# Altium PCB SoDeRa-PCIe_1v0.PcbDoc (part 2 of 8)
Units mm, origin at the board's own origin, x right, y up, seen from the top; angles counter-clockwise.
Board outline 136.85 x 68.9 mm, 12 copper layers (Top, L2, L3, L4, L5, L6, L7, L8, L9, L10, L11, Bottom), stack 1.638 mm thick; 750 components, 495 nets, 3617 pads, 1756 vias.
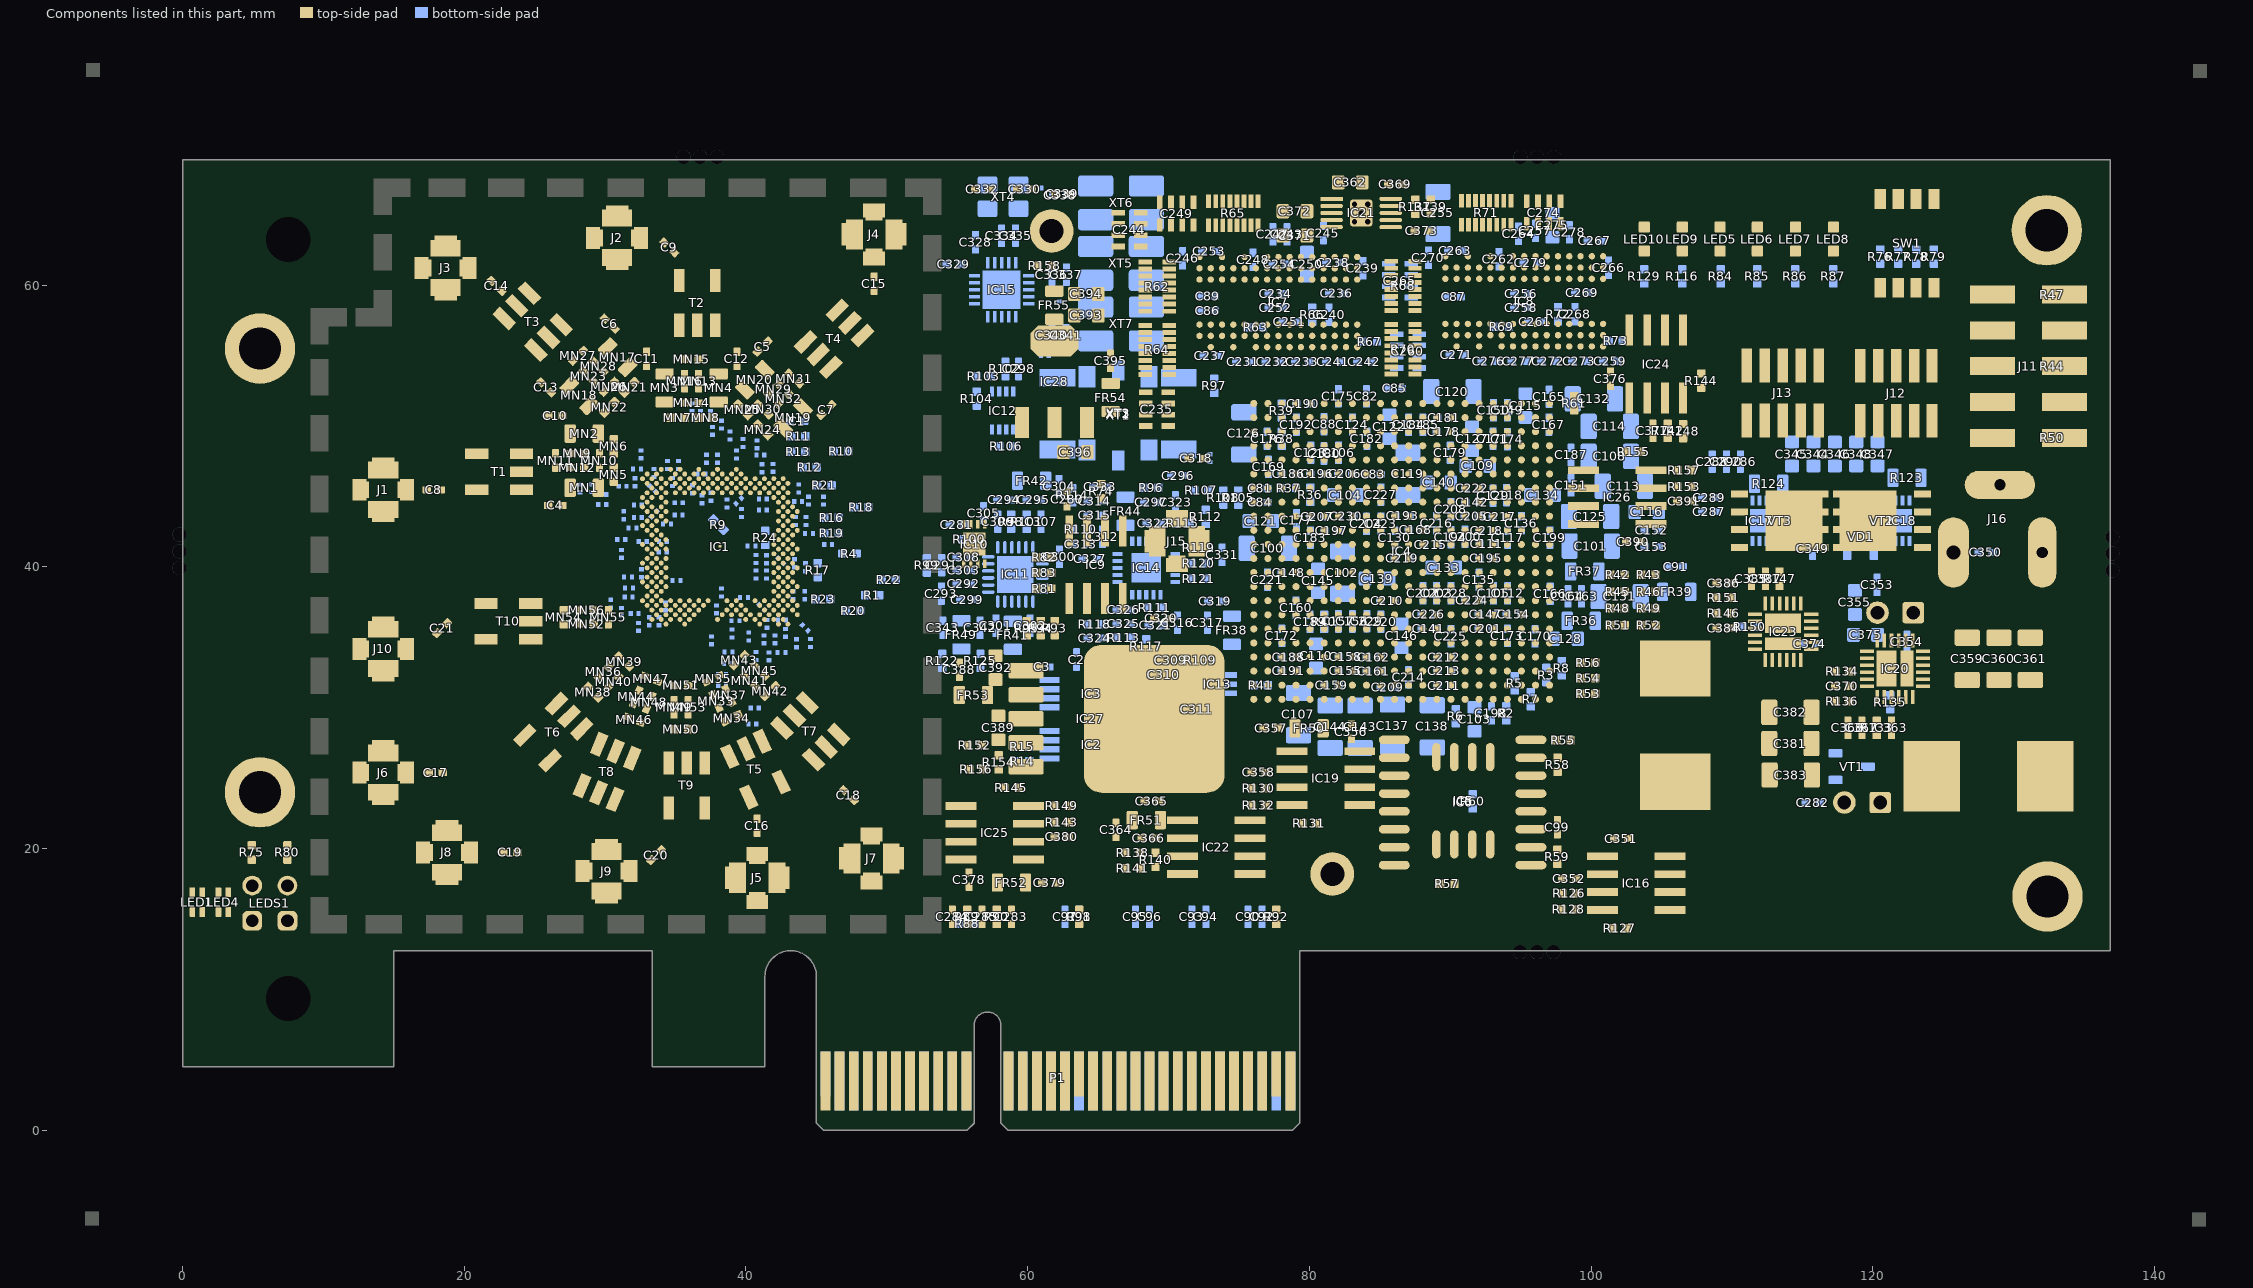
[diagram p12: the components of this part, seen from the top]

## Components (designator, comment, footprint, x,y, rotation, side; value= is the part's Value field where it differs from the comment) (continued)
FR55 "600R@100MHz" RES0805#2 61.89,58.575 r90 top
IC1 "LMS7002M" LMS7002M 37.984,41.437 r0 top locked
IC2 "24FC64F" 24FC512 64.5,27.375 r180 bottom
IC3 "24FC512" 24FC512 64.5,31 r180 bottom
IC4 "EP4CGX30CF23C7N" ALTR-FBGA484_A-200 86.55,41.1 r180 top locked
IC5 "W25Q32FV" SOIC127P600-8DL_v3 90.925,23.35 r270 top
IC6 "S25FL032P" SOIC16_WIDE 90.875,23.275 r180 top
IC7 "AS4C64M16D2-25BCN" AS4C64M16D2 77.8,58.8 r270 top
IC8 "AS4C64M16D2-25BCN" AS4C64M16D2 95.25,58.85 r270 top
IC9 "M25P40" M25P40-VMN6TPB_SO8N 64.85,40.15 r90 top
IC10 "LM75" HWSON8_LM75 56.2,41.625 r90 top
IC11 "LMK00105" LMK00105SQ 59.125,39.462 r270 bottom
IC12 "NC7SV74K8XCT" NC7SV74K8XCT 58.225,51.1 r90 bottom
IC13 "AD5601BKSZ-REEL7" AD5601_SOT23-6 73.475,31.675 r180 bottom
IC14 "ADF4002" ADF4002 68.425,39.925 r0 bottom
IC15 "Si5351C" Si5351C_20QFN 58.15,59.675 r90 bottom
IC16 "MIC37122" "MIC37122YM TR_SO8" 103.213,17.551 r0 top
IC17 "LTC4357" LTC4357 111.95,43.275 r90 bottom
IC18 "LTC4357" LTC4357 122.1,43.275 r270 bottom
IC19 "MIC37122" "MIC37122YM TR_SO8" 81.175,25 r0 top
IC20 "ADP2386" ADP2386 121.574,32.776 r90 top
IC21 "RT9026" MSOP10 81.575,66.125 r0 top
IC22 "MIC37122" "MIC37122YM TR_SO8" 73.4,20.1 r0 top
IC23 "ADP2386" ADP2386 113.625,35.4 r0 top
IC24 "MIC37122" "MIC37122YM TR_SO8" 104.615,54.404 r90 top
IC25 "MIC37122" "MIC37122YM TR_SO8" 57.65,21.125 r180 top
IC26 "MIC37122" "MIC37122YM TR_SO8" 101.85,44.95 r180 top
IC27 "LP38503TS" TO-263-5_v2 65.936,29.215 r0 top
IC28 "LM1117IMPX-3.3" sot223 61.9,53.136 r0 top
J1 "U.FL/MMCX" MMCX_UFL_conn_u 14.25,45.475 r270 top
J2 "U.FL/MMCX" MMCX_UFL_conn_u 30.85,63.36 r270 top
J3 "U.FL/MMCX" MMCX_UFL_conn_u 18.675,61.225 r270 top
J4 "U.FL/MMCX" MMCX_UFL_conn_u 49.1,63.6 r180 top
J5 "U.FL/MMCX" MMCX_UFL_conn_u 40.8,17.925 r0 top
J6 "U.FL/MMCX" MMCX_UFL_conn_u 14.25,25.4 r270 top
J7 "U.FL/MMCX" MMCX_UFL_conn_u 48.916,19.3 r0 top
J8 "U.FL/MMCX" MMCX_UFL_conn_u 18.775,19.725 r270 top
J9 "U.FL/MMCX" MMCX_UFL_conn_u 30.1,18.4 r270 top
J10 "U.FL/MMCX" MMCX_UFL_conn_u 14.25,34.175 r270 top
J11 "JTAG_10pinConnector" HEADER5x2_SM 131.05,54.25 r90 top locked
J12 "FPGA GPIO" SWD_10_pin 121.65,52.325 r0 top
J13 "FPGA GPIO" SWD_10_pin 113.6,52.35 r0 top
J14 "12V FAN" HDR_1x2 119.25,23.275 r270 top
J15 "U.FL/MMCX" MMCX_UFL_conn_u 70.6,41.825 r0 top
J16 "CONN_PWR_JACK_2.1x5.5mm" CONN_PWR_JACK_v2 139.725,41.025 r270 top locked
J17 "12V" HDR_1x2 121.6,36.75 r270 top
L1 "2.2uH" FDVE1040_TOKO_INDUCTOR 128.204,25.149 r0 top
L2 "1uH" FDVE1040_TOKO_INDUCTOR 105.987,28.762 r270 top
LED1 "LED_RG_SMD" LED-2x0603 1.075,16.125 r270 top
LED4 "LED_RG_SMD" LED-2x0603 2.925,16.125 r270 top
LED5 "LED_green" LED-0603-GREEN 109.155,63.275 r90 top
LED6 "LED_green" LED-0603-GREEN 111.8,63.275 r90 top
LED7 "LED_green" LED-0603-GREEN 114.505,63.275 r90 top
LED8 "LED_green" LED-0603-GREEN 117.205,63.275 r90 top
LED9 "LED_green" LED-0603-GREEN 106.475,63.275 r90 top
LED10 "LED_green" LED-0603-GREEN 103.775,63.275 r90 top
LEDS1 "2xLED standoff" LED_STANDOFF_H-201C 6.2,16.125 r90 top
MECH1 "# pcs." PCB_standoff 132.35,63.9 r0 top locked
MECH2 "# pcs." PCB_standoff 132.4,16.6 r0 top
MECH3 "# pcs." PCB_standoff 5.5,24 r0 top
MECH4 "# pcs." PCB_standoff 5.5,55.5 r0 top
MN1 "100uH" RES0805#2 28.52,45.617 r180 top
MN2 "100uH" RES0805#2 28.52,49.462 r180 top
MN3 "100uH" RES0805#2 34.22,52.701 r90 top
MN4 "100uH" RES0805#2 38.065,52.701 r90 top
MN5 "47nH" RES0402#1 30.63,46.552 r270 top
MN6 "47nH" RES0402#1 30.63,48.552 r90 top
MN7 "47nH" RES0402#1 35.144,50.591 r180 top
MN8 "47nH" RES0402#1 37.144,50.591 r0 top
MN9 "100nF, 10%" CAP0402#2 28.03,48.052 r0 top
MN10 "0.5pF" CAP0402#2 29.59,47.553 r90 top
MN11 "2pF" CAP0402#2 26.48,47.552 r90 top
MN12 "100nF, 10%" CAP0402#2 28.03,47.052 r180 top
MN13 "100nF, 10%" CAP0402#2 36.645,53.191 r270 top
MN14 "0.5pF" CAP0402#2 36.144,51.641 r0 top
MN15 "2pF" CAP0402#2 36.144,54.741 r0 top
MN16 "100nF, 10%" CAP0402#2 35.645,53.191 r90 top
MN17 "0uH (0R)" RES0805#2 30.888,54.888 r135 top
MN18 "0uH (0R)" RES0805#2 28.17,52.169 r135 top
MN19 "0uH (0R)" RES0805#2 43.343,50.571 r45 top
MN20 "0uH (0R)" RES0805#2 40.624,53.289 r45 top
MN21 "8.2nH, 5%" RES0402#1 31.729,52.745 r45 top
MN22 "8.2nH, 5%" RES0402#1 30.315,51.331 r225 top
MN23 "0.8pF" CAP0402#2 28.83,53.534 r315 top
MN24 "8.2nH, 5%" RES0402#1 41.2,49.73 r315 top
MN25 "8.2nH, 5%" RES0402#1 39.786,51.144 r135 top
MN26 "1pF" CAP0402#2 30.279,52.791 r45 top
MN27 "0.5pF" CAP0402#2 28.087,54.983 r225 top
MN28 "0.8pF" CAP0402#2 29.537,54.241 r315 top
MN29 "0.8pF" CAP0402#2 41.978,52.629 r225 top
MN30 "1pF" CAP0402#2 41.236,51.179 r315 top
MN31 "0.5pF" CAP0402#2 43.428,53.371 r135 top
MN32 "0.8pF" CAP0402#2 42.685,51.922 r225 top
MN33 "510pF" CAP0402#2 37.875,30.454 r115 top
MN34 "8.2nH, 5%" RES0402#1 38.983,29.261 r205 top
MN35 "1.2pF" CAP0402#2 37.673,32.059 r205 top
MN36 "510pF" CAP0402#2 29.893,32.552 r45 top
MN37 "510pF" CAP0402#2 38.781,30.877 r115 top
MN38 "8.2nH, 5%" RES0402#1 29.151,31.103 r135 top
MN39 "1.2pF" CAP0402#2 31.343,33.284 r135 top
MN40 "510pF" CAP0402#2 30.601,31.845 r45 top
MN41 "2pF" CAP0402#2 40.268,31.924 r135 top
MN42 "0.5pF" CAP0402#2 41.718,31.182 r225 top
MN43 "1pF" CAP0402#2 39.526,33.374 r225 top
MN44 "2pF" CAP0402#2 32.2,30.764 r67.5 top
MN45 "2pF" CAP0402#2 40.976,32.631 r135 top
MN46 "0.5pF" CAP0402#2 32.069,29.141 r157.5 top
MN47 "1pF" CAP0402#2 33.274,32.051 r157.5 top
MN48 "2pF" CAP0402#2 33.124,30.381 r67.5 top
MN49 "100pF, 5%" CAP0402#2 34.899,30.033 r90 top
MN50 "10nH, 5%" RES0402#1 35.399,28.483 r180 top
MN51 "0.8pF" CAP0402#2 35.399,31.583 r0 top
MN52 "100pF, 5%" CAP0402#2 28.681,35.937 r0 top
MN53 "100pF, 5%" CAP0402#2 35.899,30.033 r90 top
MN54 "10nH, 5%" RES0402#1 27.071,36.421 r270 top
MN55 "0.8pF" CAP0402#2 30.231,36.437 r90 top
MN56 "100pF, 5%" CAP0402#2 28.681,36.926 r0 top
P1 "PCIeX4-GF-2D-1000-1K-O64" PCIeX4-GF-2D-1000-1K-O64 59.75,3.25 r0 top locked
R1 "49.9R, 1%" RES0402#2 48.975,38 r0 bottom
R2 "10k, 1%" RES0402#2 93.975,29.6 r90 bottom
R3 "10k, 1%" RES0402#2 96.825,32.325 r90 bottom
R4 "49.9R, 1%" RES0402#2 47.35,40.95 r0 bottom
R5 "10k, 1%" RES0402#2 94.575,31.725 r90 bottom
R6 "10k, 1%" RES0402#2 90.4,29.4 r90 bottom
R7 "10k, 1%" RES0402#2 95.725,30.6 r270 bottom
R8 "10k, 1%" RES0402#2 97.925,32.8 r270 bottom
R9 "10k, 1%" RES0402#2 38.05,43 r315 bottom
R10 "49.9R, 1%" RES0402#2 46.75,48.225 r0 bottom
R11 "49.9R, 1%" RES0402#2 43.725,49.275 r0 bottom
R12 "49.9R, 1%" RES0402#2 44.525,47.075 r0 bottom
R13 "49.9R, 1%" RES0402#2 43.725,48.175 r0 bottom
R14 "2k2, 1%" RES0402#2 59.625,26.2 r0 bottom
R15 "2k2, 1%" RES0402#2 59.625,27.225 r0 bottom
R16 "0R" RES0402#2 46.075,43.5 r0 bottom
R17 "0R" RES0402#2 45.1,39.775 r90 bottom
R18 "0R" RES0402#2 48.175,44.25 r0 bottom
R19 "0R" RES0402#2 46.074,42.406 r180 bottom
R20 "0R" RES0402#2 47.6,36.9 r0 bottom
R21 "0R" RES0402#2 45.575,45.8 r180 bottom
R22 "0R" RES0402#2 50.15,39.1 r0 bottom
R23 "0R" RES0402#2 45.474,37.706 r180 bottom
R24 "0R" RES0402#2 41.374,42.056 r270 bottom
R25 "0R" RES0201 40.769,48.701 r90 bottom
R26 "0R" RES0201 34.799,46.031 r90 bottom
R27 "10R" RES0201 29.054,45.59 r90 bottom
R28 "0R" RES0201 35.23,44.556 r0 bottom
R29 "0R" RES0201 39.674,43.826 r90 bottom
R30 "0R" RES0201 32.324,44.381 r180 bottom
R31 "0R" RES0201 33.478,43.756 r45 bottom
R32 "0R" RES0201 38.755,33.95 r180 bottom
R33 "10R" RES0201 32.27,46.946 r180 bottom
R34 "10R" RES0201 41.624,33.651 r90 bottom
R35 "10R" RES0201 43.574,34.581 r90 bottom
R36 "49.9R, 1%" RES0402#2 80.075,45.125 r270 bottom
R37 "49.9R, 1%" RES0402#2 78.55,45.6 r0 bottom
R38 "49.9R, 1%" RES0402#2 78.05,49.1 r270 bottom
R39 "49.9R, 1%" RES0402#2 78.05,51.1 r270 bottom
R40 "49.9R, 1%" RES0402#2 81.05,36.1 r90 bottom
R41 "49.9R, 1%" RES0402#2 76.55,31.6 r0 bottom
R42 "0R" RES0402#1 101.875,39.45 r180 top
R43 "0R" RES0402#1 104.075,39.45 r180 top
R44 "10k, 1%" RES0402#2 132.75,54.25 r180 bottom
R45 "0R" RES0402#1 101.875,38.25 r180 top
R46 "0R" RES0402#1 104.075,38.25 r180 top
R47 "10k, 1%" RES0402#2 132.75,59.336 r180 bottom
R48 "0R" RES0402#1 101.875,37.05 r180 top
R49 "0R" RES0402#1 104.075,37.05 r180 top
R50 "1k, 1%" RES0402#2 132.75,49.164 r0 bottom
R51 "0R" RES0402#1 101.875,35.85 r180 top
R52 "0R" RES0402#1 104.075,35.85 r180 top
R53 "10k, 1%" RES0402#1 99.8,31 r180 top
R54 "10k, 1%" RES0402#1 99.8,32.1 r180 top
R55 "22R" RES0402#1 98.035,27.7 r0 top
R56 "10k, 1%" RES0402#1 99.8,33.2 r180 top
R57 "100K" RES0402#1 89.8,17.5 r0 top
R58 "4K7" RES0402#1 97.625,25.95 r90 top
R59 "4K7" RES0402#1 97.6,19.425 r270 top
R60 "4K7" RES0402#2 91.6,23.35 r90 bottom
R61 "2k, 1%" RES0402#1 98.8,51.625 r270 top
R62 "8x56R" EXB2HV 69.2,59.9 r180 top
R63 "100R, 1%" RES0402#2 76.2,57 r180 bottom
R64 "8x56R" EXB2HV 69.2,55.4 r180 top
R65 "8x56R" EXB2HV 74.6,65.1 r90 top
R66 "100R, 1%" RES0402#2 80.2,57.9 r270 bottom
R67 "100R, 1%" RES0402#2 84.3,56 r180 bottom
R68 "8x56R" EXB2HV 86.65,59.95 r180 top
R69 "100R, 1%" RES0402#2 93.65,57.05 r180 bottom
R70 "8x56R" EXB2HV 86.65,55.45 r180 top
R71 "8x56R" EXB2HV 92.55,65.15 r90 top
R72 "100R, 1%" RES0402#2 97.65,57.95 r270 bottom
R73 "100R, 1%" RES0402#2 101.75,56.05 r180 bottom
R74 "100K" RES0402#1 65.225,45.375 r270 top
R75 "100R, 1%" RES0402#1 4.925,19.725 r270 top
R76 "10k, 1%" RES0402#2 120.53,62.025 r270 bottom
R77 "10k, 1%" RES0402#2 121.8,62.025 r270 bottom
R78 "10k, 1%" RES0402#2 123.07,62.025 r270 bottom
R79 "10k, 1%" RES0402#2 124.34,62.025 r270 bottom
R80 "100R, 1%" RES0402#1 7.45,19.725 r270 top
R81 "4K7" RES0402#1 61.175,38.45 r0 top
R82 "4K7" RES0402#1 61.175,40.675 r0 top
R83 "4K7" RES0402#1 61.175,39.575 r0 top
R84 "249R, 1%" RES0402#2 109.2,60.625 r90 bottom
R85 "249R, 1%" RES0402#2 111.795,60.625 r90 bottom
R86 "249R, 1%" RES0402#2 114.5,60.625 r90 bottom
R87 "249R, 1%" RES0402#2 117.2,60.625 r90 bottom
R88 "0R" RES0402#2 55.7,14.65 r180 bottom
R89 "0R" RES0402#1 55.7,15.15 r270 top
R90 "0R" RES0402#1 57.8,15.15 r270 top
R91 "0R" RES0402#1 63.65,15.15 r270 top
R92 "0R" RES0402#1 77.65,15.15 r270 top
R93 "1k, 1%" RES0402#1 61.925,35.65 r270 top
R94 "1k, 1%" RES0402#1 60.925,35.65 r270 top
R95 "10k, 1%" RES0402#1 59.95,35.65 r270 top
R96 "0R" RES0402#2 68.775,45.625 r0 bottom
R97 "0R" RES0402#2 73.25,52.85 r90 bottom
R98 "49.9R, 1%" RES0402#2 58.825,43.212 r270 bottom
R99 "49.9R, 1%" RES0402#2 52.85,40.1 r270 bottom
R100 "0R" RES0402#2 55.85,41.95 r0 bottom
R101 "49.9R, 1%" RES0402#2 59.925,43.212 r270 bottom
R102 "0R" RES0402#2 58.425,54.05 r270 bottom
R103 "0R" RES0402#2 56.875,53.55 r0 bottom
R104 "0R" RES0402#2 56.375,51.95 r270 bottom
R105 "0R" RES0402#2 74.95,44.925 r90 bottom
R106 "0R" RES0402#2 58.475,48.575 r180 bottom
R107 "0R" RES0402#2 72.325,45.425 r180 bottom
R108 "0R" RES0402#2 73.9,44.925 r270 bottom
R109 "0R" RES0402#2 72.261,33.36 r180 bottom
R110 "49.9R, 1%" RES0402#2 63.75,42.675 r0 bottom
R111 "10R, 5%" RES0402#2 69.025,37.1 r0 bottom
R112 "1k, 1%" RES0402#2 72.65,43.55 r90 bottom
R113 "470R, 0.5%" RES0402#2 66.825,34.975 r180 bottom
R114 "0R" RES0402#2 63.165,45.082 r90 bottom
R115 "49.9R, 1%" RES0402#2 71,43.1 r180 bottom
R116 "470R, 0.5%" RES0402#2 106.47,60.625 r270 bottom
R117 "10k, 1%" RES0402#2 68.425,34.35 r270 bottom
R118 "330R, 5%" RES0402#2 64.775,35.925 r0 bottom
R119 "49.9R, 1%" RES0402#2 72.15,41.35 r180 bottom
R120 "49.9R, 1%" RES0402#2 72.15,40.25 r180 bottom
R121 "49.9R, 1%" RES0402#2 72.15,39.15 r180 bottom
R122 "0R" RES0402#2 53.95,33.325 r270 bottom
R123 "0R" RES0805#1 122.425,46.325 r0 bottom
R124 "0R" RES0805#1 112.6,45.9 r180 bottom
R125 "0R" RES0402#2 56.65,33.325 r270 bottom
R126 "0R" RES0402#1 98.437,16.837 r0 top
R127 "1k5, 1%" RES0402#1 102.038,14.338 r180 top
R128 "1k, 1%" RES0402#1 98.428,15.69 r0 top
R129 "470R, 0.5%" RES0402#2 103.77,60.625 r270 bottom
R130 "0R" RES0402#1 76.399,24.286 r0 top
R131 "806R, 1%" RES0402#1 79.999,21.787 r180 top
R132 "1k, 1%" RES0402#1 76.399,23.087 r0 top
R133 "10k, 1%" RES0402#1 120.274,28.576 r90 top
R134 "100k, 5%" RES0402#1 117.824,32.576 r180 top
R135 "2.21k, 1%" RES0402#2 121.224,30.401 r270 bottom
R136 "44.2k, 1%" RES0402#1 117.824,30.476 r0 top
R137 "10k, 1%" RES0402#1 87.525,65.575 r270 top
R138 "0R" RES0402#1 67.475,19.7 r0 top
R139 "10k, 1%" RES0402#1 88.625,65.575 r270 top
R140 "40R2, 1%" RES0402#1 69.075,19.2 r270 top
R141 "100R, 1%" RES0402#1 67.475,18.6 r180 top
R142 "0R" RES0402#1 105.429,49.653 r90 top
R143 "0R" RES0402#1 62.425,21.875 r180 top
R144 "806R, 1%" RES0402#1 107.828,53.228 r270 top
R145 "249R, 1%" RES0402#1 58.826,24.339 r0 top
R146 "10k, 1%" RES0402#1 109.425,36.7 r0 top
R147 "124k, 1%" RES0402#1 113.375,39.15 r90 top
R148 "1k, 1%" RES0402#1 106.526,49.644 r90 top
R149 "1k, 1%" RES0402#1 62.426,23.039 r180 top
R150 "10k, 1%" RES0402#2 111.25,35.75 r0 bottom
R151 "66.5k, 1%" RES0402#1 109.425,37.8 r0 top
R152 "0R" RES0402#1 56.25,27.325 r0 top
R153 "0R" RES0402#1 106.625,45.688 r180 top
R154 "10k, 1%" RES0402#1 57.95,26.125 r270 top
R155 "806R, 1%" RES0402#1 103.026,48.163 r0 top
R156 "10k, 1%" RES0402#1 56.35,25.625 r180 top
R157 "1k, 1%" RES0402#1 106.626,46.863 r180 top
R158 "0R" RES0402#1 61.21,61.375 r0 top
SW1 "4 bit switch" SW_4WAY_SMD_1P27 122.43,62.975 r180 top
T1 "TC1-1-13MA+" TC1-1-13MA+_v2 22.48,46.752 r270 top
T2 "TC1-1-13MA+" TC1-1-13MA+_v2 36.545,58.741 r180 top
T3 "TCM1-63AX+" TCM1-63AX+_v2 24.859,57.412 r45 top
T4 "TCM1-63AX+" TCM1-63AX+_v2 46.256,56.2 r315 top
T5 "TC1-1-13MA+" TC1-1-13MA+_v2 40.673,25.635 r25 top
T6 "TC1-1-13MA+" TC1-1-13MA+_v2 26.323,28.274 r315 top
T7 "TCM1-63AX+" TCM1-63AX+_v2 44.571,28.328 r225 top
T8 "TCM1-63AX+" TCM1-63AX+_v2 30.138,25.445 r157.5 top
T9 "TC1-1-13MA+" TC1-1-13MA+_v2 35.799,24.483 r0 top
T10 "TC1-1-13MA+" TC1-1-13MA+_v2 23.131,36.137 r270 top
TP1 "TESTPOINT_THT_MINI" TP-THT-MIDI 61.7,63.85 r0 top
TP2 "TESTPOINT_THT_MINI" TP-THT-MIDI 81.625,18.2 r0 top
VD1 "MMBD1205" SOT23-3_v2 119.125,42.125 r90 bottom
VT1 "NDS331N" SOT23-3 118.5,25.825 r0 bottom
VT2 "BSC093N04LS G" BSC093N04LS_G 120.65,43.275 r180 top
VT3 "BSC093N04LS G" BSC093N04LS_G 113.4,43.275 r0 top
XT1 "30.72 MHz" RAKON_RPT7050A 66.425,50.75 r270 bottom
XT2 "TCXO 61.44MHz" RAKON_TXCO_61MHz_v2 66.425,50.875 r0 bottom
XT3 "TCXO 30.72MHz" RAKON_TXCO 66.425,50.75 r270 bottom
XT4 "25MHz" CRYSTAL_4-LCC 58.25,66.275 r180 bottom
XT5 "CRYSTAL 100MHz" CRYSTAL_4-LCC_v4 66.625,61.55 r0 bottom
XT6 "CRYSTAL 50MHz (nr. 1)" CRYSTAL_4-LCC_v4 66.626,65.848 r0 bottom
XT7 "CRYSTAL 50MHz (nr. 2)" CRYSTAL_4-LCC_v4 66.626,57.248 r0 bottom

## Footprints (in the part's own frame and the unit in brackets; to place one, negate y for a bottom-side part, rotate by r counter-clockwise, add the part's x,y. Pads: shape width x height; smd on the part's side, far side on the other; paste and mask are expansions set on the pad)
24FC512 [mm] "TSOP, 8-Leads, Body 3,00x4,40mm, Pitch 0,65mm, IPC Medium Density"
  rect 1.4x0.45 smd mask+0.05: 1(-2.95,0.975) 2(-2.95,0.325) 3(-2.95,-0.325) 4(-2.95,-0.975) 5(2.95,-0.975) 6(2.95,-0.325) 7(2.95,0.325) 8(2.95,0.975)
  silkscreen extent -3.08,-1.55 1.85,1.87, body extent -3.25,-1.55 3.25,1.55, height 1.19
AD5601_SOT23-6 [mm] "SOT23, 6-Leads, Body 2x1.3mm, Pitch 0.65mm, Lead Span 2.1mm, IPC Medium Density"
  rect 0.85x0.4 smd: 1(-0.95,0.65) 2(-0.95,0) 3(-0.95,-0.65) 4(0.95,-0.65) 5(0.95,0) 6(0.95,0.65)
  silkscreen extent -1.07,-1.1 0.15,1.52, body extent -1.05,-1 1.05,1, height 0.43
ADF4002 [mm]
  rect 0.7x0.3 smd mask+0.05: 1(-2.05,1) 2(-2.05,0.5) 3(-2.05,0) 4(-2.05,-0.5) 5(-2.05,-1) 11(2.05,-1) 12(2.05,-0.5) 13(2.05,0) 14(2.05,0.5) 15(2.05,1)
  rect 0.3x0.7 smd mask+0.05: 6(-1,-1.9) 7(-0.5,-1.9) 8(0,-1.9) 9(0.5,-1.9) 10(1,-1.9) 16(1,1.9) 17(0.5,1.9) 18(0,1.9) 19(-0.5,1.9) 20(-1,1.9)
  rect 2.1x2.1 smd: 21(0,0)
  silkscreen extent -2.97,-2.03 2.2,2.02, body extent -2.02,-2.02 2.02,2.02, height 0.8
ADP2386 [mm] "QFN, 24-Leads, Body 4,00x4,00mm, Pitch 0,50mm, 2x thermal pads, IPC Medium Density"
  rect 1x0.25 smd mask+0.05: 1(-2,1.25) 2(-2,0.75) 3(-2,0.25) 4(-2,-0.25) 5(-2,-0.75) 6(-2,-1.25) 13(2,-1.25) 14(2,-0.75) 15(2,-0.25) 16(2,0.25) 17(2,0.75) 18(2,1.25)
  rect 0.25x1 smd mask+0.05: 7(-1.25,-2) 8(-0.75,-2) 9(-0.25,-2) 10(0.25,-2) 11(0.75,-2) 12(1.25,-2) 19(1.25,2) 20(0.75,2) 21(0.25,2) 22(-0.25,2) 23(-0.75,2) 24(-1.25,2)
  rect 2.55x1.4 smd mask+0.05: 25(0,0.6)
  rect 2.55x0.9 smd mask+0.05: 26(0,-0.85)
  silkscreen extent -2.87,-2.1 2.1,2.1, body extent -2,-2 2,2, height 1
ALTR-FBGA484_A-200 [mm] "BGA, 484-Balls, Body 23x23mm, Pitch 1mm"
  round 0.5 smd: A1(-10.5,10.5) A2(-9.5,10.5) A3(-8.5,10.5) A4(-7.5,10.5) A5(-6.5,10.5) A6(-5.5,10.5) A7(-4.5,10.5) A8(-3.5,10.5) A9(-2.5,10.5) A10(-1.5,10.5) A11(-0.5,10.5) A12(0.5,10.5) A13(1.5,10.5) A14(2.5,10.5) A15(3.5,10.5) A16(4.5,10.5) A17(5.5,10.5) A18(6.5,10.5) A19(7.5,10.5) A20(8.5,10.5) A21(9.5,10.5) A22(10.5,10.5) AA1(-10.5,-9.5) AA2(-9.5,-9.5) AA3(-8.5,-9.5) AA4(-7.5,-9.5) AA5(-6.5,-9.5) AA6(-5.5,-9.5) AA7(-4.5,-9.5) AA8(-3.5,-9.5) AA9(-2.5,-9.5) AA10(-1.5,-9.5) AA11(-0.5,-9.5) AA12(0.5,-9.5) AA13(1.5,-9.5) AA14(2.5,-9.5) AA15(3.5,-9.5) AA16(4.5,-9.5) AA17(5.5,-9.5) AA18(6.5,-9.5) AA19(7.5,-9.5) AA20(8.5,-9.5) AA21(9.5,-9.5) AA22(10.5,-9.5) AB1(-10.5,-10.5) AB2(-9.5,-10.5) AB3(-8.5,-10.5) AB4(-7.5,-10.5) AB5(-6.5,-10.5) AB6(-5.5,-10.5) AB7(-4.5,-10.5) AB8(-3.5,-10.5) AB9(-2.5,-10.5) AB10(-1.5,-10.5) AB11(-0.5,-10.5) AB12(0.5,-10.5) AB13(1.5,-10.5) AB14(2.5,-10.5) AB15(3.5,-10.5) AB16(4.5,-10.5) AB17(5.5,-10.5) AB18(6.5,-10.5) AB19(7.5,-10.5) AB20(8.5,-10.5) AB21(9.5,-10.5) AB22(10.5,-10.5) B1(-10.5,9.5) B2(-9.5,9.5) B3(-8.5,9.5) B4(-7.5,9.5) B5(-6.5,9.5) B6(-5.5,9.5) B7(-4.5,9.5) B8(-3.5,9.5) B9(-2.5,9.5) B10(-1.5,9.5) B11(-0.5,9.5) B12(0.5,9.5) B13(1.5,9.5) B14(2.5,9.5) B15(3.5,9.5) B16(4.5,9.5) B17(5.5,9.5) B18(6.5,9.5) B19(7.5,9.5) B20(8.5,9.5) B21(9.5,9.5) B22(10.5,9.5) C1(-10.5,8.5) C2(-9.5,8.5) C3(-8.5,8.5) C4(-7.5,8.5) C5(-6.5,8.5) C6(-5.5,8.5) C7(-4.5,8.5) C8(-3.5,8.5) C9(-2.5,8.5) C10(-1.5,8.5) C11(-0.5,8.5) C12(0.5,8.5) C13(1.5,8.5) C14(2.5,8.5) C15(3.5,8.5) C16(4.5,8.5) C17(5.5,8.5) C18(6.5,8.5) C19(7.5,8.5) C20(8.5,8.5) C21(9.5,8.5) C22(10.5,8.5) D1(-10.5,7.5) D2(-9.5,7.5) D3(-8.5,7.5) D4(-7.5,7.5) D5(-6.5,7.5) D6(-5.5,7.5) D7(-4.5,7.5) D8(-3.5,7.5) D9(-2.5,7.5) D10(-1.5,7.5) D11(-0.5,7.5) D12(0.5,7.5) D13(1.5,7.5) D14(2.5,7.5) D15(3.5,7.5) D16(4.5,7.5) D17(5.5,7.5) D18(6.5,7.5) D19(7.5,7.5) D20(8.5,7.5) D21(9.5,7.5) D22(10.5,7.5) E1(-10.5,6.5) E2(-9.5,6.5) E3(-8.5,6.5) E4(-7.5,6.5) E5(-6.5,6.5) E6(-5.5,6.5) E7(-4.5,6.5) E8(-3.5,6.5) E9(-2.5,6.5) E10(-1.5,6.5) E11(-0.5,6.5) E12(0.5,6.5) E13(1.5,6.5) E14(2.5,6.5) E15(3.5,6.5) E16(4.5,6.5) E17(5.5,6.5) E18(6.5,6.5) E19(7.5,6.5) E20(8.5,6.5) E21(9.5,6.5) E22(10.5,6.5) F1(-10.5,5.5) F2(-9.5,5.5) F3(-8.5,5.5) F4(-7.5,5.5) F5(-6.5,5.5) F6(-5.5,5.5) F7(-4.5,5.5) F8(-3.5,5.5) F9(-2.5,5.5) F10(-1.5,5.5) F11(-0.5,5.5) F12(0.5,5.5) F13(1.5,5.5) F14(2.5,5.5) F15(3.5,5.5) F16(4.5,5.5) F17(5.5,5.5) F18(6.5,5.5) F19(7.5,5.5) F20(8.5,5.5) F21(9.5,5.5) F22(10.5,5.5) G1(-10.5,4.5) G2(-9.5,4.5) G3(-8.5,4.5) G4(-7.5,4.5) G5(-6.5,4.5) G6(-5.5,4.5) G7(-4.5,4.5) G8(-3.5,4.5) G9(-2.5,4.5) G10(-1.5,4.5) G11(-0.5,4.5) G12(0.5,4.5) G13(1.5,4.5) G14(2.5,4.5) G15(3.5,4.5) G16(4.5,4.5) G17(5.5,4.5) G18(6.5,4.5) G19(7.5,4.5) G20(8.5,4.5) G21(9.5,4.5) G22(10.5,4.5) H1(-10.5,3.5) H2(-9.5,3.5) H3(-8.5,3.5) H4(-7.5,3.5) H5(-6.5,3.5) H6(-5.5,3.5) H7(-4.5,3.5) H8(-3.5,3.5) H9(-2.5,3.5) H10(-1.5,3.5) H11(-0.5,3.5) H12(0.5,3.5) H13(1.5,3.5) H14(2.5,3.5) H15(3.5,3.5) H16(4.5,3.5) H17(5.5,3.5) H18(6.5,3.5) H19(7.5,3.5) H20(8.5,3.5) H21(9.5,3.5) H22(10.5,3.5) J1(-10.5,2.5) J2(-9.5,2.5) J3(-8.5,2.5) J4(-7.5,2.5) J5(-6.5,2.5) J6(-5.5,2.5) J7(-4.5,2.5) J8(-3.5,2.5) J9(-2.5,2.5) J10(-1.5,2.5) J11(-0.5,2.5) J12(0.5,2.5) J13(1.5,2.5) J14(2.5,2.5) J15(3.5,2.5) J16(4.5,2.5) J17(5.5,2.5) J18(6.5,2.5) J19(7.5,2.5) J20(8.5,2.5) J21(9.5,2.5) J22(10.5,2.5) K1(-10.5,1.5) K2(-9.5,1.5) K3(-8.5,1.5) K4(-7.5,1.5) K5(-6.5,1.5) K6(-5.5,1.5) K7(-4.5,1.5) K8(-3.5,1.5) K9(-2.5,1.5) K10(-1.5,1.5) K11(-0.5,1.5) K12(0.5,1.5) K13(1.5,1.5) K14(2.5,1.5) K15(3.5,1.5) K16(4.5,1.5) K17(5.5,1.5) K18(6.5,1.5) K19(7.5,1.5) K20(8.5,1.5) K21(9.5,1.5) K22(10.5,1.5) L1(-10.5,0.5) L2(-9.5,0.5) L3(-8.5,0.5) L4(-7.5,0.5) L5(-6.5,0.5) L6(-5.5,0.5) L7(-4.5,0.5) L8(-3.5,0.5) L9(-2.5,0.5) L10(-1.5,0.5) L11(-0.5,0.5) L12(0.5,0.5) L13(1.5,0.5) L14(2.5,0.5) L15(3.5,0.5) L16(4.5,0.5) L17(5.5,0.5) L18(6.5,0.5) L19(7.5,0.5) L20(8.5,0.5) L21(9.5,0.5) L22(10.5,0.5) M1(-10.5,-0.5) M2(-9.5,-0.5) M3(-8.5,-0.5) M4(-7.5,-0.5) M5(-6.5,-0.5) M6(-5.5,-0.5) M7(-4.5,-0.5) M8(-3.5,-0.5) M9(-2.5,-0.5) M10(-1.5,-0.5) M11(-0.5,-0.5) M12(0.5,-0.5) M13(1.5,-0.5) M14(2.5,-0.5) M15(3.5,-0.5) M16(4.5,-0.5) M17(5.5,-0.5) M18(6.5,-0.5) M19(7.5,-0.5) M20(8.5,-0.5) M21(9.5,-0.5) M22(10.5,-0.5) N1(-10.5,-1.5) N2(-9.5,-1.5) N3(-8.5,-1.5) N4(-7.5,-1.5) N5(-6.5,-1.5) N6(-5.5,-1.5) N7(-4.5,-1.5) N8(-3.5,-1.5) N9(-2.5,-1.5) N10(-1.5,-1.5) N11(-0.5,-1.5) N12(0.5,-1.5) N13(1.5,-1.5) N14(2.5,-1.5) N15(3.5,-1.5) N16(4.5,-1.5) N17(5.5,-1.5) N18(6.5,-1.5) N19(7.5,-1.5) N20(8.5,-1.5) N21(9.5,-1.5) N22(10.5,-1.5) P1(-10.5,-2.5) P2(-9.5,-2.5) P3(-8.5,-2.5) P4(-7.5,-2.5) P5(-6.5,-2.5) P6(-5.5,-2.5) P7(-4.5,-2.5) P8(-3.5,-2.5) P9(-2.5,-2.5) P10(-1.5,-2.5) P11(-0.5,-2.5) P12(0.5,-2.5) P13(1.5,-2.5) P14(2.5,-2.5) P15(3.5,-2.5) P16(4.5,-2.5) P17(5.5,-2.5) P18(6.5,-2.5) P19(7.5,-2.5) P20(8.5,-2.5) P21(9.5,-2.5) P22(10.5,-2.5) R1(-10.5,-3.5) R2(-9.5,-3.5) R3(-8.5,-3.5) R4(-7.5,-3.5) R5(-6.5,-3.5) R6(-5.5,-3.5) R7(-4.5,-3.5) R8(-3.5,-3.5) R9(-2.5,-3.5) R10(-1.5,-3.5) R11(-0.5,-3.5) R12(0.5,-3.5) R13(1.5,-3.5) R14(2.5,-3.5) R15(3.5,-3.5) R16(4.5,-3.5) R17(5.5,-3.5) R18(6.5,-3.5) R19(7.5,-3.5) R20(8.5,-3.5) R21(9.5,-3.5) R22(10.5,-3.5) T1(-10.5,-4.5) T2(-9.5,-4.5) T3(-8.5,-4.5) T4(-7.5,-4.5) T5(-6.5,-4.5) T6(-5.5,-4.5) T7(-4.5,-4.5) T8(-3.5,-4.5) T9(-2.5,-4.5) T10(-1.5,-4.5) T11(-0.5,-4.5) T12(0.5,-4.5) T13(1.5,-4.5) T14(2.5,-4.5) T15(3.5,-4.5) T16(4.5,-4.5) T17(5.5,-4.5) T18(6.5,-4.5) T19(7.5,-4.5) T20(8.5,-4.5) T21(9.5,-4.5) T22(10.5,-4.5) U1(-10.5,-5.5) U2(-9.5,-5.5) U3(-8.5,-5.5) U4(-7.5,-5.5) U5(-6.5,-5.5) U6(-5.5,-5.5) U7(-4.5,-5.5) U8(-3.5,-5.5) U9(-2.5,-5.5) U10(-1.5,-5.5) U11(-0.5,-5.5) U12(0.5,-5.5) U13(1.5,-5.5) U14(2.5,-5.5) U15(3.5,-5.5) U16(4.5,-5.5) U17(5.5,-5.5) U18(6.5,-5.5) U19(7.5,-5.5) U20(8.5,-5.5) U21(9.5,-5.5) U22(10.5,-5.5) V1(-10.5,-6.5) V2(-9.5,-6.5) V3(-8.5,-6.5) V4(-7.5,-6.5) V5(-6.5,-6.5) V6(-5.5,-6.5) V7(-4.5,-6.5) V8(-3.5,-6.5) V9(-2.5,-6.5) V10(-1.5,-6.5) V11(-0.5,-6.5) V12(0.5,-6.5) V13(1.5,-6.5) V14(2.5,-6.5) V15(3.5,-6.5) V16(4.5,-6.5) V17(5.5,-6.5) V18(6.5,-6.5) V19(7.5,-6.5) V20(8.5,-6.5) V21(9.5,-6.5) V22(10.5,-6.5) W1(-10.5,-7.5) W2(-9.5,-7.5) W3(-8.5,-7.5) W4(-7.5,-7.5) W5(-6.5,-7.5) W6(-5.5,-7.5) W7(-4.5,-7.5) W8(-3.5,-7.5) W9(-2.5,-7.5) W10(-1.5,-7.5) W11(-0.5,-7.5) W12(0.5,-7.5) W13(1.5,-7.5) W14(2.5,-7.5) W15(3.5,-7.5) W16(4.5,-7.5) W17(5.5,-7.5) W18(6.5,-7.5) W19(7.5,-7.5) W20(8.5,-7.5) W21(9.5,-7.5) W22(10.5,-7.5) Y1(-10.5,-8.5) Y2(-9.5,-8.5) Y3(-8.5,-8.5) Y4(-7.5,-8.5) Y5(-6.5,-8.5) Y6(-5.5,-8.5) Y7(-4.5,-8.5) Y8(-3.5,-8.5) Y9(-2.5,-8.5) Y10(-1.5,-8.5) Y11(-0.5,-8.5) Y12(0.5,-8.5) Y13(1.5,-8.5) Y14(2.5,-8.5) Y15(3.5,-8.5) Y16(4.5,-8.5) Y17(5.5,-8.5) Y18(6.5,-8.5) Y19(7.5,-8.5) Y20(8.5,-8.5) Y21(9.5,-8.5) Y22(10.5,-8.5)